# Altium PCB 4_layers_Testboard.PcbDoc (part 2 of 3) (continued)
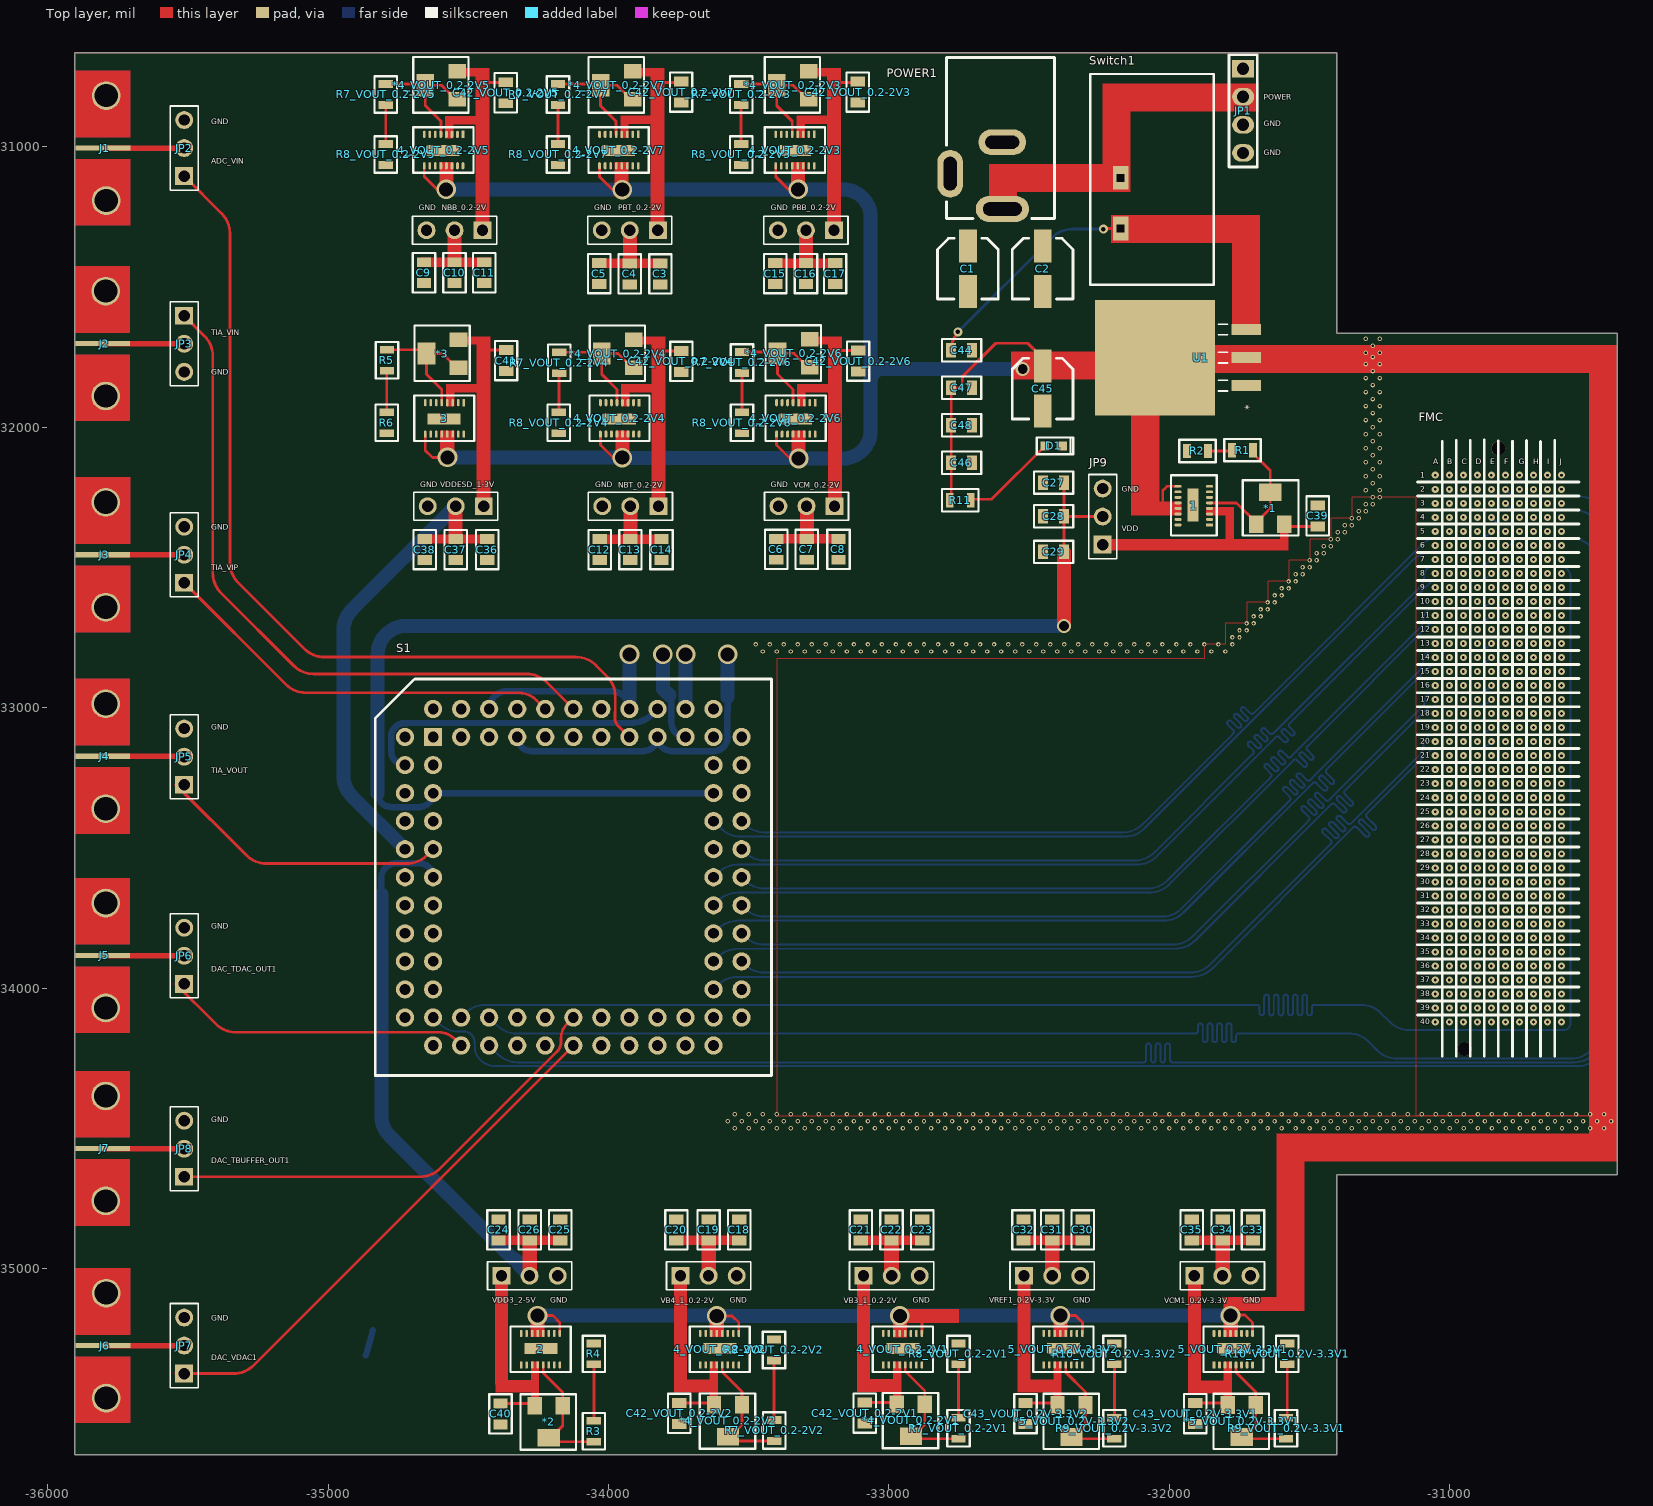
[diagram p0: Top layer view]
## Nets (pads, with @x,y where several pads share a name; then routed paths per layer and width w, separated by ;. In a path a pad name is that pad's centre, name@x,y a point inside that pad or via, vN(x,y) a via of type N, cw(c..) or ccw(c..) an arc to the next point about the centre after c; other vN are vias at no path point) (continued)
DAC_SYNC_IN1: "FMC HPC1.D8" S1.67 | length 6583.2
  Inner Layer 2 w7: S1.67@-34625.44,-33705 -34501.73,-33581.29 cw(c-34431.02,-33652) -34431.02,-33552 -33357,-33552 -33353.5,-33552 ccw(c-33353.5,-33543.5) -33345,-33543.5 -33345,-33495.49 cw(c-33336.5,-33495.49) -33328,-33495.49 -33328,-33602.57 ccw(c-33319.5,-33602.57) -33311,-33602.57 -33311,-33495.49 cw(c-33302.5,-33495.49) -33294,-33495.49 -33294,-33602.57 ccw(c-33285.5,-33602.57) -33277,-33602.57 -33277,-33495.49 cw(c-33268.5,-33495.49) -33260,-33495.49 -33260,-33602.57 ccw(c-33251.5,-33602.57) -33243,-33602.57 -33243,-33495.49 cw(c-33234.5,-33495.49) -33226,-33495.49 -33226,-33602.57 ccw(c-33217.5,-33602.57) -33209,-33602.57 -33209,-33495.49 cw(c-33200.5,-33495.49) -33192,-33495.49 -33192,-33602.57 ccw(c-33183.5,-33602.57) -33175,-33602.57 -33175,-33495.49 cw(c-33166.5,-33495.49) -33158,-33495.49 -33158,-33602.57 ccw(c-33149.5,-33602.57) -33141,-33602.57 -33141,-33495.49 cw(c-33132.5,-33495.49) -33124,-33495.49 -33124,-33602.57 ccw(c-33115.5,-33602.57) -33107,-33602.57 -33107,-33495.49 cw(c-33098.5,-33495.49) -33090,-33495.49 -33090,-33602.57 ccw(c-33081.5,-33602.57) -33073,-33602.57 -33073,-33495.49 cw(c-33064.5,-33495.49) -33056,-33495.49 -33056,-33602.57 ccw(c-33047.5,-33602.57) -33039,-33602.57 -33039,-33496.54 cw(c-33030.5,-33496.54) -33022,-33496.54 -33022,-33543.5 ccw(c-33013.5,-33543.5) -33013.5,-33552 -32883,-33552 -32262.42,-33552 ccw(c-32262.42,-33452) -32191.71,-33522.71 -31193.58,-32524.58 cw(c-31127,-32591.15) -31127,-32497 -30811.18,-32497 cw(c-30811.18,-32580.69) v1(-30752,-32521.51)
DAC_TBUFFER_IN1: "FMC HPC1.E3" S1.79 | length 6587.2
  Bottom Layer w7: S1.79@-34425.44,-34205 -34394.73,-34235.71 ccw(c-34324.02,-34165) -34324.02,-34265 -32095,-34265 -32091.5,-34265 ccw(c-32091.5,-34256.5) -32083,-34256.5 -32083,-34206.11 cw(c-32074.5,-34206.11) -32066,-34206.11 -32066,-34256.5 ccw(c-32057.5,-34256.5) -32049,-34256.5 -32049,-34206.11 cw(c-32040.5,-34206.11) -32032,-34206.11 -32032,-34256.5 ccw(c-32023.5,-34256.5) -32015,-34256.5 -32015,-34206.11 cw(c-32006.5,-34206.11) -31998,-34206.11 -31998,-34256.5 ccw(c-31989.5,-34256.5) -31989.5,-34265 -31690,-34265 -30556,-34265 ccw(c-30556,-34165) -30456,-34165 -30456,-32396 ccw(c-30556,-32396) -30556,-32296 -30601.99,-32296.01 -30752,-32296.01 cw(c-30752,-32271.51) -30752.49,-32296.01 cw(c-30752.49,-32235.61) -30754.89,-32295.96 cw(c-30752.49,-32235.61) -30795.19,-32278.32 v1(-30802,-32271.51)
DAC_TBUFFER_OUT1: JP8.1 S1.2 | length 1670.4
  Top layer w10: JP8.1@-35533,-34673 -34671.42,-34673 ccw(c-34671.42,-34573) -34600.71,-34643.71 -34183.94,-34226.94 ccw(c-34220.21,-34190.66) -34168.91,-34190.66 -34168.91,-34177.98 cw(c-34097.68,-34177.98) -34148.05,-34127.61 S1.2@-34125.44,-34105
DAC_TDAC_IN1: "FMC HPC1.E7" S1.78 | length 6587.4
  Bottom Layer w7: S1.78@-34525.44,-34105 -34509.73,-34089.29 cw(c-34439.02,-34160) -34439.02,-34060 -31915.42,-34060 -31687.34,-34060 cw(c-31687.34,-34068.5) -31678.84,-34068.5 -31678.84,-34088.11 ccw(c-31670.34,-34088.11) -31661.84,-34088.11 -31661.84,-34032.27 cw(c-31653.34,-34032.27) -31644.84,-34032.27 -31644.84,-34088.85 ccw(c-31636.34,-34088.85) -31627.84,-34088.85 -31627.84,-34032.27 cw(c-31619.34,-34032.27) -31610.84,-34032.27 -31610.84,-34088.85 ccw(c-31602.34,-34088.85) -31593.84,-34088.85 -31593.84,-34032.27 cw(c-31585.34,-34032.27) -31576.84,-34032.27 -31576.84,-34088.85 ccw(c-31568.34,-34088.85) -31559.84,-34088.85 -31559.84,-34032.27 cw(c-31551.34,-34032.27) -31542.84,-34032.27 -31542.84,-34088.85 ccw(c-31534.34,-34088.85) -31525.84,-34088.85 -31525.84,-34032.27 cw(c-31517.34,-34032.27) -31508.84,-34032.27 -31508.84,-34088.85 ccw(c-31500.34,-34088.85) -31491.84,-34088.85 -31491.84,-34068.5 cw(c-31483.34,-34068.5) -31483.34,-34060 -31479.84,-34060 -31316.42,-34060 cw(c-31316.42,-34160) -31245.71,-34089.29 -31214,-34121 ccw(c-31143.99,-34050.99) -31143.99,-34150 -30594,-34150 ccw(c-30594,-34126) -30570,-34126 -30570,-32534 ccw(c-30608,-32534) -30585.64,-32503.28 ccw(c-30602,-32521.51) -30605.57,-32497.27 -30752,-32496.01 cw(c-30752,-32471.51) -30755.12,-32495.81 -30760.96,-32495.06 cw(c-30760.96,-32452.83) -30772.96,-32493.32 cw(c-30760.96,-32452.83) -30790.82,-32482.69 v1(-30802,-32471.51)
DAC_TDAC_OUT1: JP6.1 S1.77 | length 1102.2
  Top layer w10: JP6.1@-35543,-33985 -35399.29,-34128.71 ccw(c-35328.58,-34058) -35328.58,-34158 -34604,-34158 cw(c-34604,-34234.2) -34555.9,-34175.1 cw(c-34604,-34234.2) -34550.12,-34180.32 S1.77@-34525.44,-34205 cw(c-34525.44,-34203.64) S1.77@-34526.39,-34204.61
DAC_VDAC1: JP7.1 S1.1 | length 1897.9
  Top layer w10: JP7.1@-35543,-35375 -35336.86,-35375 ccw(c-35336.86,-35275) -35266.15,-35345.71 S1.1@-34125.44,-34205
GND: 1.6 1.7 1.10 1.11 2.6 2.7 2.10 2.11 3.6 3.7 3.10 3.11 4_VOUT_0.2-2V1.6 4_VOUT_0.2-2V1.7 4_VOUT_0.2-2V1.10 4_VOUT_0.2-2V1.11 4_VOUT_0.2-2V2.6 4_VOUT_0.2-2V2.7 4_VOUT_0.2-2V2.10 4_VOUT_0.2-2V2.11 4_VOUT_0.2-2V3.6 4_VOUT_0.2-2V3.7 4_VOUT_0.2-2V3.10 4_VOUT_0.2-2V3.11 4_VOUT_0.2-2V4.6 4_VOUT_0.2-2V4.7 4_VOUT_0.2-2V4.10 4_VOUT_0.2-2V4.11 4_VOUT_0.2-2V5.6 4_VOUT_0.2-2V5.7 4_VOUT_0.2-2V5.10 4_VOUT_0.2-2V5.11 4_VOUT_0.2-2V6.6 4_VOUT_0.2-2V6.7 4_VOUT_0.2-2V6.10 4_VOUT_0.2-2V6.11 4_VOUT_0.2-2V7.6 4_VOUT_0.2-2V7.7 4_VOUT_0.2-2V7.10 4_VOUT_0.2-2V7.11 5_VOUT_0.2V-3.3V1.6 5_VOUT_0.2V-3.3V1.7 5_VOUT_0.2V-3.3V1.10 5_VOUT_0.2V-3.3V1.11 5_VOUT_0.2V-3.3V2.6 5_VOUT_0.2V-3.3V2.7 5_VOUT_0.2V-3.3V2.10 5_VOUT_0.2V-3.3V2.11 "FMC HPC1.A1" "FMC HPC1.A4" "FMC HPC1.A5" "FMC HPC1.A8" "FMC HPC1.A9" "FMC HPC1.A12" "FMC HPC1.A13" "FMC HPC1.A16" "FMC HPC1.A17" "FMC HPC1.A20" "FMC HPC1.A21" "FMC HPC1.A24" "FMC HPC1.A25" "FMC HPC1.A28" "FMC HPC1.A29" "FMC HPC1.A32" "FMC HPC1.A33" "FMC HPC1.A36" "FMC HPC1.A37" "FMC HPC1.A40" "FMC HPC1.B2" "FMC HPC1.B3" "FMC HPC1.B6" "FMC HPC1.B7" "FMC HPC1.B10" "FMC HPC1.B11" "FMC HPC1.B14" "FMC HPC1.B15" "FMC HPC1.B18" "FMC HPC1.B19" "FMC HPC1.B22" "FMC HPC1.B23" "FMC HPC1.B26" "FMC HPC1.B27" "FMC HPC1.B30" "FMC HPC1.B31" "FMC HPC1.B34" "FMC HPC1.B35" "FMC HPC1.B38" "FMC HPC1.B39" "FMC HPC1.C1" "FMC HPC1.C4" "FMC HPC1.C5" "FMC HPC1.C8" "FMC HPC1.C9" "FMC HPC1.C12" "FMC HPC1.C13" "FMC HPC1.C16" "FMC HPC1.C17" "FMC HPC1.C20" "FMC HPC1.C21" "FMC HPC1.C24" "FMC HPC1.C25" "FMC HPC1.C28" "FMC HPC1.C29" "FMC HPC1.C32" "FMC HPC1.C33" "FMC HPC1.C36" "FMC HPC1.C38" "FMC HPC1.C40" "FMC HPC1.D2" "FMC HPC1.D3" "FMC HPC1.D6" "FMC HPC1.D7" "FMC HPC1.D10" "FMC HPC1.D13" "FMC HPC1.D16" "FMC HPC1.D19" "FMC HPC1.D22" "FMC HPC1.D25" "FMC HPC1.D28" "FMC HPC1.D37" "FMC HPC1.D39" "FMC HPC1.E1" "FMC HPC1.E4" "FMC HPC1.E5" "FMC HPC1.E8" "FMC HPC1.E11" "FMC HPC1.E14" "FMC HPC1.E17" "FMC HPC1.E20" "FMC HPC1.E23" "FMC HPC1.E26" "FMC HPC1.E29" "FMC HPC1.E32" "FMC HPC1.E35" "FMC HPC1.E38" "FMC HPC1.E40" "FMC HPC1.F2" "FMC HPC1.F3" "FMC HPC1.F6" "FMC HPC1.F9" "FMC HPC1.F12" "FMC HPC1.F15" "FMC HPC1.F18" "FMC HPC1.F21" "FMC HPC1.F24" "FMC HPC1.F27" "FMC HPC1.F30" "FMC HPC1.F33" "FMC HPC1.F36" "FMC HPC1.F39" "FMC HPC1.G1" "FMC HPC1.G4" "FMC HPC1.G5" "FMC HPC1.G8" "FMC HPC1.G11" "FMC HPC1.G14" "FMC HPC1.G17" "FMC HPC1.G20" "FMC HPC1.G23" "FMC HPC1.G26" "FMC HPC1.G29" "FMC HPC1.G32" "FMC HPC1.G35" "FMC HPC1.G38" "FMC HPC1.G40" "FMC HPC1.H3" "FMC HPC1.H6" "FMC HPC1.H9" "FMC HPC1.H12" "FMC HPC1.H15" "FMC HPC1.H18" "FMC HPC1.H21" "FMC HPC1.H24" "FMC HPC1.H27" "FMC HPC1.H30" "FMC HPC1.H33" "FMC HPC1.H36" "FMC HPC1.H39" "FMC HPC1.J1" "FMC HPC1.J4" "FMC HPC1.J5" "FMC HPC1.J8" "FMC HPC1.J11" "FMC HPC1.J14" "FMC HPC1.J17" "FMC HPC1.J20" "FMC HPC1.J23" "FMC HPC1.J26" "FMC HPC1.J29" "FMC HPC1.J32" "FMC HPC1.J35" "FMC HPC1.J38" "FMC HPC1.J40" "FMC HPC1.K3" "FMC HPC1.K6" "FMC HPC1.K9" "FMC HPC1.K12" "FMC HPC1.K15" "FMC HPC1.K18" "FMC HPC1.K21" "FMC HPC1.K24" "FMC HPC1.K27" "FMC HPC1.K30" "FMC HPC1.K33" "FMC HPC1.K36" "FMC HPC1.K39" C1.1 C2.1 C3.1 C4.2 C5.1 C6.1 C7.1 C8.1 C9.1 C10.2 C11.1 C12.1 C13.2 C14.1 C15.1 C16.2 C17.1 C18.1 C19.2 C20.1 C21.1 C22.2 C23.1 C24.1 C25.2 C26.1 C27.1 C28.2 C29.1 C30.1 C31.2 C32.1 C33.1 C34.2 C35.1 C36.1 C37.2 C38.1 C39.1 C40.1 C41.1 C42_VOUT_0.2-2V1.1 C42_VOUT_0.2-2V2.1 C42_VOUT_0.2-2V3.1 C42_VOUT_0.2-2V4.1 C42_VOUT_0.2-2V5.1 C42_VOUT_0.2-2V6.1 C42_VOUT_0.2-2V7.1 C43_VOUT_0.2V-3.3V1.1 C43_VOUT_0.2V-3.3V2.1 C44.2 C45.2 C46.2 C47.2 C48.2 D1.1 J1.MH J2.MH J3.MH J4.MH J5.MH J6.MH J7.MH JP1.3 JP1.4 JP2.3 JP3.3 JP4.3 JP5.3 JP6.3 JP7.3 JP8.3 JP9.3 NBB_0.2-2V.3 NBT_0.2-2V.3 PBB_0.2-2V.3 PBT_0.2-2V.3 POWER1.2 POWER1.3 R2.1 R4.1 R6.1 R8_VOUT_0.2-2V1.1 R8_VOUT_0.2-2V2.1 R8_VOUT_0.2-2V3.1 R8_VOUT_0.2-2V4.1 R8_VOUT_0.2-2V5.1 R8_VOUT_0.2-2V6.1 R8_VOUT_0.2-2V7.1 R10_VOUT_0.2V-3.3V1.1 R10_VOUT_0.2V-3.3V2.1 S1.28 S1.30 S1.58 S1.61 S1.66 U1.1 VB3_1_0.2-2V.3 VB4_1_0.2-2V.3 VCM1_0.2V-3.3V.3 VCM_0.2-2V.3 VDD3_2-5V.3 VDDESD_1-3V.3 VREF1_0.2V-3.3V.3
  other v1: -31002,-34121.51 -30952,-34121.51 -30902,-34121.51 -30852,-34121.51 -30802,-34121.51 -30752,-34121.51 -30702,-34121.51 -30652,-34121.51 -30602,-34121.51 -31052,-34071.51 -31002,-34071.51 -30952,-34071.51 -30902,-34071.51 -30852,-34071.51 -30802,-34071.51 -30752,-34071.51 -30702,-34071.51 -30652,-34071.51 -30602,-34071.51 -31002,-34021.51 -30952,-34021.51 -30902,-34021.51 -30852,-34021.51 -30802,-34021.51 -30752,-34021.51 -30702,-34021.51 -30652,-34021.51 -30602,-34021.51 -31002,-33971.51 -30952,-33971.51 -30902,-33971.51 -30852,-33971.51 -30802,-33971.51 -30752,-33971.51 -30702,-33971.51 -30652,-33971.51 -30602,-33971.51 -31052,-33921.51 -31002,-33921.51 -30952,-33921.51 -30902,-33921.51 -30852,-33921.51 -30802,-33921.51 -30752,-33921.51 -30702,-33921.51 -30652,-33921.51 -30602,-33921.51 -31002,-33871.51 -30952,-33871.51 -30902,-33871.51 -30852,-33871.51 -30802,-33871.51 -30752,-33871.51 -30702,-33871.51 -30652,-33871.51 -30602,-33871.51 -31002,-33821.51 -30952,-33821.51 -30902,-33821.51 -30852,-33821.51 -30802,-33821.51 -30752,-33821.51 -30702,-33821.51 -30652,-33821.51 -30602,-33821.51 -31052,-33771.51 -30952,-33771.51 -30852,-33771.51 -30702,-33771.51 -30602,-33771.51 -31002,-33721.51 -30902,-33721.51 -30802,-33721.51 -30702,-33721.51 -30602,-33721.51 -30652,-33671.51 -31052,-33621.51 -30952,-33621.51 -30852,-33621.51 -30652,-33621.51 -31002,-33571.51 -30902,-33571.51 -30802,-33571.51 -30702,-33571.51 -30602,-33571.51 -30752,-33521.51 -30702,-33521.51 -30602,-33521.51 -31052,-33471.51 -30952,-33471.51 -30852,-33471.51 -30652,-33471.51 -31002,-33421.51 -30902,-33421.51 -30802,-33421.51 -30652,-33421.51 -30752,-33371.51 -30702,-33371.51 -30602,-33371.51 -31052,-33321.51 -30952,-33321.51 -30852,-33321.51 -30702,-33321.51 -30602,-33321.51 -31002,-33271.51 -30902,-33271.51 -30802,-33271.51 -30652,-33271.51 -30752,-33221.51 -30652,-33221.51 -31052,-33171.51 -30952,-33171.51 -30852,-33171.51 -30702,-33171.51 -30602,-33171.51 -31002,-33121.51 -30902,-33121.51 -30802,-33121.51 -30702,-33121.51 -30602,-33121.51 -30752,-33071.51 -30652,-33071.51 -31052,-33021.51 -30952,-33021.51 -30852,-33021.51 -30652,-33021.51 -31002,-32971.51 -30902,-32971.51 -30802,-32971.51 -30702,-32971.51 -30602,-32971.51 -30752,-32921.51 -30702,-32921.51 -30602,-32921.51 -31052,-32871.51 -30952,-32871.51 -30852,-32871.51 -30652,-32871.51 -31002,-32821.51 -30902,-32821.51 -30802,-32821.51 -30652,-32821.51 -30752,-32771.51 -30702,-32771.51 -30602,-32771.51 -31052,-32721.51 -30952,-32721.51 -30852,-32721.51 -30702,-32721.51 -30602,-32721.51 -31002,-32671.51 -30902,-32671.51 -30802,-32671.51 -30652,-32671.51 -30752,-32621.51 -30652,-32621.51 -31052,-32571.51 -30952,-32571.51 -30852,-32571.51 -30702,-32571.51 -30602,-32571.51 -31002,-32521.51 -30902,-32521.51 -30802,-32521.51 -30702,-32521.51 -30602,-32521.51 -30752,-32471.51 -30652,-32471.51 -31052,-32421.51 -30952,-32421.51 -30852,-32421.51 -30752,-32421.51 -30652,-32421.51 -31002,-32371.51 -30902,-32371.51 -30802,-32371.51 -30702,-32371.51 -30602,-32371.51 -31002,-32321.51 -30902,-32321.51 -30802,-32321.51 -30702,-32321.51 -30602,-32321.51 -31052,-32271.51 -30952,-32271.51 -30852,-32271.51 -30752,-32271.51 -30652,-32271.51 -30852,-32221.51 -30752,-32221.51 -30652,-32221.51 -31002,-32171.51 -30902,-32171.51 -30802,-32171.51 -30702,-32171.51 -30602,-32171.51
NBB0.2-2V: C9.2 C10.1 C11.2 NBB_0.2-2V.2 S1.37 S1.56 | length 3156.2
  Top layer w10: C11.2@-34449.22,-31415.2 ccw(c-34449.22,-31404.28) C11.2@-34441.5,-31412
  Inner Layer 2 w50: S1.56@-34725.44,-33205 -34759.65,-33170.79 cw(c-34688.94,-33100.08) -34774.44,-33151.94 cw(c-34688.94,-33100.08) -34785.82,-33124.85 ccw(c-34834.26,-33137.26) -34786.31,-33123.06 cw(c-34725.44,-33105) -34788.94,-33105 cw(c-34725.44,-33105) -34788.92,-33103.7 ccw(c-34838.91,-33102.71) -34788.92,-33101.85 cw(c-34688.94,-33100.08) -34788.94,-33100.08 -34788.94,-31579.38 cw(c-34688.94,-31579.38) -34759.65,-31508.66 NBB_0.2-2V.2@-34548.98,-31298
  Bottom Layer w23: S1.56@-34725.44,-33205 cw(c-34725.44,-33155) -34775.44,-33155 -34775.44,-33114.44 cw(c-34716,-33114.44) -34775.33,-33110.88 ccw(c-34798.29,-33109.58) -34775.34,-33108.19 cw(c-34725.44,-33105) -34722.35,-33055.1 cw(c-34725.44,-33105) -34722.23,-33055.1 ccw(c-34720.86,-33032.14) -34719.58,-33055.11 cw(c-34716,-33114.44) -34716,-33055 -34624.64,-33055 ccw(c-34624.64,-33032) -34624.58,-33055 -34622.57,-33054.99 cw(c-34622.51,-33077.99) -34622.46,-33054.99 -34619.92,-33055 -34592.87,-33055 -34525.54,-33055 -34525.44,-33055 -33916.86,-33055 ccw(c-33916.86,-32955) -33908.26,-33054.63 ccw(c-33916.86,-32955) -33846.15,-33025.71 S1.37@-33825.44,-33005
NBT0.2-2V: C12.2 C13.1 C14.2 NBT_0.2-2V.2 S1.36 S1.57 | length 1902.8
  Inner Layer 2 w23: S1.57@-34625.44,-33205 -33866.86,-33205 ccw(c-33866.86,-33105) -33796.15,-33175.71 S1.36@-33725.44,-33105
  Inner Layer 2 w50: -33922,-32545 ccw(c-33844.75,-32545) -33899.37,-32599.63 -33892.71,-32606.29 ; NBT_0.2-2V.2@-33922,-32282 -33922,-32535.58 ccw(c-33822,-32535.58) -33892.71,-32606.29 ; v3(-33806,-32810) -33806,-32734.42 ccw(c-33906,-32734.42) -33835.29,-32663.71 -33892.71,-32606.29
  Bottom Layer w23: -33775.44,-32960.88 -33775.44,-33055 ccw(c-33725.44,-33055) S1.36@-33725.44,-33105
  Bottom Layer w50: v3(-33806,-32810) -33806,-32933 -33783,-32956
Net1_3: 1.3 1.4 *1.3 C39.2 JP9.1 | length 122.6
  Top layer w10: *1.3@-31590.42,-32346.23 -31582.87,-32353.79 C39.2@-31471,-32353.79
Net1_5: 1.5 *1.1 *1.2 R1.2 | length 506
  Top layer w10: 1.5@-31856.93,-32270.13 -31760.62,-32270.13 *1.1@-31690.42,-32340.32 ; R1.2@-31701.66,-32081.87 -31701.66,-32093.68 -31640.42,-32154.92 *1.2@-31640.42,-32232.06 -31640.42,-32290.32 *1.1@-31690.42,-32340.32 ; *1.1@-31690.42,-32346.23 *1.1@-31690.42,-32340.32
Net2_3: 2.3 2.4 *2.3 C40.2 VDD3_2-5V.1 | length 125.2
  Top layer w10: C40.2@-34385,-35481.2 -34270.8,-35481.2 *2.3@-34263,-35489
Net2_5: 2.5 *2.1 *2.2 R3.2 | length 480.4
  Top layer w10: 2.5@-34232.67,-35344.05 -34232.67,-35372.3 -34163,-35441.97 *2.1@-34163,-35489 -34163,-35561.05 -34205.12,-35603.17 *2.2@-34213,-35603.17 -34198.37,-35617.8 R3.2@-34052,-35617.8
Net3_3: 3.3 3.4 *3.3 C41.2 VDDESD_1-3V.1 | length 79.2
  Top layer w10: -34452.2,-31725.2 C41.2@-34373,-31725.2
Net3_5: 3.5 *3.1 *3.2 R5.2 | length 464.2
  Top layer w10: R5.2@-34790,-31724 -34682.56,-31724 cw(c-34682.56,-31771.34) *3.2@-34649.09,-31737.87 ; 3.5@-34594.61,-31912.72 3.5@-34594.69,-31912.8 -34594.69,-31865.86 -34649.09,-31811.46 *3.2@-34649.09,-31737.87 ; *3.1@-34557.66,-31787.87 -34557.66,-31771.02 -34590.82,-31737.87 *3.2@-34649.09,-31737.87
Net4_VOUT_0.2-2V1_3: 4_VOUT_0.2-2V1.3 4_VOUT_0.2-2V1.4 *4_VOUT_0.2-2V1.3 C42_VOUT_0.2-2V1.2 VB3_1_0.2-2V.1 | length 116.4
  Top layer w10: C42_VOUT_0.2-2V1.2@-33086,-35478.2 -32977.8,-35478.2 *4_VOUT_0.2-2V1.3@-32972,-35484
Net4_VOUT_0.2-2V1_5: 4_VOUT_0.2-2V1.5 *4_VOUT_0.2-2V1.1 *4_VOUT_0.2-2V1.2 R7_VOUT_0.2-2V1.2 | length 466.1
  Top layer w10: 4_VOUT_0.2-2V1.5@-32941.68,-35344.05 -32941.61,-35344.13 -32941.61,-35367.9 -32872,-35437.5 *4_VOUT_0.2-2V1.1@-32872,-35484 -32872,-35556.05 -32914.12,-35598.17 -32905.46,-35606.83 R7_VOUT_0.2-2V1.2@-32752,-35606.83
Net4_VOUT_0.2-2V2_3: 4_VOUT_0.2-2V2.3 4_VOUT_0.2-2V2.4 *4_VOUT_0.2-2V2.3 C42_VOUT_0.2-2V2.2 VB4_1_0.2-2V.1 | length 126.8
  Top layer w10: C42_VOUT_0.2-2V2.2@-33748,-35479.2 -33630.8,-35479.2 *4_VOUT_0.2-2V2.3@-33624,-35486
Net4_VOUT_0.2-2V2_5: 4_VOUT_0.2-2V2.5 *4_VOUT_0.2-2V2.1 *4_VOUT_0.2-2V2.2 R7_VOUT_0.2-2V2.2 | length 481.7
  Top layer w10: 4_VOUT_0.2-2V2.5@-33594.29,-35344.05 -33594.21,-35344.13 -33594.21,-35369.29 -33524,-35439.5 *4_VOUT_0.2-2V2.1@-33524,-35486 -33524,-35558.05 -33566.12,-35600.17 *4_VOUT_0.2-2V2.2@-33574,-35600.17 -33559.17,-35615 R7_VOUT_0.2-2V2.2@-33409,-35615
Net4_VOUT_0.2-2V3_3: 4_VOUT_0.2-2V3.3 4_VOUT_0.2-2V3.4 *4_VOUT_0.2-2V3.3 C42_VOUT_0.2-2V3.2 PBB_0.2-2V.1 | length 63.8
  Top layer w10: -33197.76,-30771.24 C42_VOUT_0.2-2V3.2@-33134,-30771.24
Net4_VOUT_0.2-2V3_5: 4_VOUT_0.2-2V3.5 *4_VOUT_0.2-2V3.1 *4_VOUT_0.2-2V3.2 R7_VOUT_0.2-2V3.2 | length 449.6
  Top layer w7: *4_VOUT_0.2-2V3.2@-33404.87,-30776.24 cw(c-33404.87,-30781) *4_VOUT_0.2-2V3.2@-33400.1,-30781
  Top layer w10: R7_VOUT_0.2-2V3.2@-33527,-30776.24 *4_VOUT_0.2-2V3.2@-33404.87,-30776.24 ; 4_VOUT_0.2-2V3.5@-33344.63,-30955.85 4_VOUT_0.2-2V3.5@-33344.71,-30955.93 -33344.71,-30909.49 -33400.1,-30854.1 *4_VOUT_0.2-2V3.2@-33400.1,-30781 -33341.83,-30781 -33308.68,-30814.15 *4_VOUT_0.2-2V3.1@-33308.68,-30831
Net4_VOUT_0.2-2V4_3: 4_VOUT_0.2-2V4.3 4_VOUT_0.2-2V4.4 *4_VOUT_0.2-2V4.3 C42_VOUT_0.2-2V4.2 NBT_0.2-2V.1 | length 91
  Top layer w10: -33823,-31728 C42_VOUT_0.2-2V4.2@-33732,-31728
Net4_VOUT_0.2-2V4_5: 4_VOUT_0.2-2V4.5 *4_VOUT_0.2-2V4.1 *4_VOUT_0.2-2V4.2 R7_VOUT_0.2-2V4.2 | length 487.2
  Top layer w10: R7_VOUT_0.2-2V4.2@-34176,-31733 -34028.87,-31733 cw(c-34028.87,-31737.76) *4_VOUT_0.2-2V4.2@-34024.1,-31737.76 ; 4_VOUT_0.2-2V4.5@-33969.63,-31912.72 4_VOUT_0.2-2V4.5@-33969.71,-31912.8 -33969.71,-31865.8 -34024.1,-31811.41 *4_VOUT_0.2-2V4.2@-34024.1,-31737.76 ; *4_VOUT_0.2-2V4.1@-33909.93,-31787.76 -33915.83,-31787.76 -33965.83,-31737.76 *4_VOUT_0.2-2V4.2@-34024.1,-31737.76
Net4_VOUT_0.2-2V5_3: 4_VOUT_0.2-2V5.3 4_VOUT_0.2-2V5.4 *4_VOUT_0.2-2V5.3 C42_VOUT_0.2-2V5.2 NBB_0.2-2V.1 | length 75.2
  Top layer w10: -34457.24,-30771.24 C42_VOUT_0.2-2V5.2@-34382,-30771.24
Net4_VOUT_0.2-2V5_5: 4_VOUT_0.2-2V5.5 *4_VOUT_0.2-2V5.1 *4_VOUT_0.2-2V5.2 R7_VOUT_0.2-2V5.2 | length 473.7
  Top layer w10: R7_VOUT_0.2-2V5.2@-34793.6,-30776.64 -34679.58,-30776.64 *4_VOUT_0.2-2V5.2@-34653.09,-30781 ; 4_VOUT_0.2-2V5.5@-34597.61,-30955.85 4_VOUT_0.2-2V5.5@-34597.69,-30955.93 -34597.69,-30909.49 -34653.09,-30854.1 *4_VOUT_0.2-2V5.2@-34653.09,-30781 ; *4_VOUT_0.2-2V5.1@-34538.91,-30831 -34544.82,-30831 -34594.82,-30781 *4_VOUT_0.2-2V5.2@-34653.09,-30781
Net4_VOUT_0.2-2V6_3: 4_VOUT_0.2-2V6.3 4_VOUT_0.2-2V6.4 *4_VOUT_0.2-2V6.3 C42_VOUT_0.2-2V6.2 VCM_0.2-2V.1 | length 80.4
  Top layer w10: -33203,-31726 -33202,-31727 C42_VOUT_0.2-2V6.2@-33123,-31727
Net4_VOUT_0.2-2V6_5: 4_VOUT_0.2-2V6.5 *4_VOUT_0.2-2V6.1 *4_VOUT_0.2-2V6.2 R7_VOUT_0.2-2V6.2 | length 455.6
  Top layer w10: R7_VOUT_0.2-2V6.2@-33524,-31732 -33401.87,-31732 cw(c-33401.87,-31736.76) *4_VOUT_0.2-2V6.2@-33397.1,-31736.76 -33338.83,-31736.76 -33288.83,-31786.76 *4_VOUT_0.2-2V6.1@-33282.93,-31786.76 ; *4_VOUT_0.2-2V6.2@-33397.1,-31744.64 -33397.1,-31810.41 -33341.71,-31865.8 4_VOUT_0.2-2V6.5@-33341.71,-31912.8
Net4_VOUT_0.2-2V7_3: 4_VOUT_0.2-2V7.3 4_VOUT_0.2-2V7.4 *4_VOUT_0.2-2V7.3 C42_VOUT_0.2-2V7.2 PBT_0.2-2V.1 | length 78.2
  Top layer w10: -33831.24,-30771.24 C42_VOUT_0.2-2V7.2@-33753,-30771.24
Net4_VOUT_0.2-2V7_5: 4_VOUT_0.2-2V7.5 *4_VOUT_0.2-2V7.1 *4_VOUT_0.2-2V7.2 R7_VOUT_0.2-2V7.2 | length 486.6
  Top layer w10: R7_VOUT_0.2-2V7.2@-34180,-30776.24 -34032.87,-30776.24 *4_VOUT_0.2-2V7.2@-34028.1,-30781 ; 4_VOUT_0.2-2V7.5@-33972.71,-30955.93 -33972.71,-30909.49 -34028.1,-30854.09 *4_VOUT_0.2-2V7.2@-34028.1,-30781 ; *4_VOUT_0.2-2V7.1@-33913.93,-30831 -33919.84,-30831 -33969.84,-30781 *4_VOUT_0.2-2V7.2@-34028.1,-30781
Net5_VOUT_0.2V-3.3V1_3: 5_VOUT_0.2V-3.3V1.3 5_VOUT_0.2V-3.3V1.4 *5_VOUT_0.2V-3.3V1.3 C43_VOUT_0.2V-3.3V1.2 VCM1_0.2V-3.3V.1 | length 118.9
  Top layer w10: C43_VOUT_0.2V-3.3V1.2@-31908,-35480 -31799,-35480 *5_VOUT_0.2V-3.3V1.3@-31792,-35487
Net5_VOUT_0.2V-3.3V1_5: 5_VOUT_0.2V-3.3V1.5 *5_VOUT_0.2V-3.3V1.1 *5_VOUT_0.2V-3.3V1.2 R9_VOUT_0.2V-3.3V1.2 | length 471.9
  Top layer w10: 5_VOUT_0.2V-3.3V1.5@-31762.31,-35344.05 -31762.23,-35344.13 -31762.23,-35370.28 -31692,-35440.5 *5_VOUT_0.2V-3.3V1.1@-31692,-35487 -31692,-35559.05 -31734.12,-35601.17 *5_VOUT_0.2V-3.3V1.2@-31742,-35601.17 -31736.34,-35606.83 R9_VOUT_0.2V-3.3V1.2@-31584,-35606.83
Net5_VOUT_0.2V-3.3V2_3: 5_VOUT_0.2V-3.3V2.3 5_VOUT_0.2V-3.3V2.4 *5_VOUT_0.2V-3.3V2.3 C43_VOUT_0.2V-3.3V2.2 VREF1_0.2V-3.3V.1 | length 116.9
  Top layer w10: C43_VOUT_0.2V-3.3V2.2@-32513,-35480 -32406,-35480 *5_VOUT_0.2V-3.3V2.3@-32399,-35487
Net5_VOUT_0.2V-3.3V2_5: 5_VOUT_0.2V-3.3V2.5 *5_VOUT_0.2V-3.3V2.1 *5_VOUT_0.2V-3.3V2.2 R9_VOUT_0.2V-3.3V2.2 | length 467
  Top layer w10: 5_VOUT_0.2V-3.3V2.5@-32369.39,-35344.05 -32369.32,-35344.13 -32369.32,-35370.19 -32299,-35440.5 *5_VOUT_0.2V-3.3V2.1@-32299,-35487 -32299,-35559.05 -32341.12,-35601.17 *5_VOUT_0.2V-3.3V2.2@-32349,-35601.17 -32343.34,-35606.84 R9_VOUT_0.2V-3.3V2.2@-32196,-35606.84
NetD1_2: D1.2 R11.1 | length 342.8
  Top layer w10: R11.1@-32708.28,-32257 -32634.17,-32257 D1.2@-32444.17,-32067
NetJ1_1: J1.1 JP2.2 | length 290
  Top layer w20: J1.1@-35803,-31005 JP2.2@-35513,-31005
NetJ2_1: J2.1 JP3.2 | length 292.1
  Top layer w20: J2.1@-35804.81,-31702.01 -35515.4,-31702.01 cw(c-35515.4,-31705.4) JP3.2@-35513,-31703
NetJ3_1: J3.1 JP4.2 | length 291.6
  Top layer w20: J3.1@-35804.57,-32455 JP4.2@-35513,-32455
NetJ4_1: J4.1 JP5.2 | length 261.7
  Top layer w20: J4.1@-35804.26,-33174.06 -35543.94,-33174.06 JP5.2@-35543,-33175
NetJ5_1: J5.1 JP6.2 | length 262.2
  Top layer w20: J5.1@-35804.81,-33884 -35804.31,-33884.5 -35543.5,-33884.5 JP6.2@-35543,-33885
NetJ6_1: J6.1 JP7.2 | length 260
  Top layer w20: J6.1@-35803,-35275 JP7.2@-35543,-35275
NetJ7_1: J7.1 JP8.2 | length 272.2
  Top layer w10: J7.1@-35804.81,-34572.01 J7.1@-35804.31,-34572.5 ; JP8.2@-35533.5,-34572.5 JP8.2@-35533,-34573
  Top layer w20: J7.1@-35804.31,-34572.5 JP8.2@-35533.5,-34572.5
NetR1_1: R1.1 R2.2 | length 87.7
  Top layer w10: R2.2@-31862.46,-32084.87 -31779.46,-32084.87 ccw(c-31779.46,-32081.87) R1.1@-31776.46,-32081.87
NetR3_1: R3.1 R4.2 | length 200.9
  Top layer w10: R3.1@-34052,-35543.1 R4.2@-34052,-35342.18
NetR5_1: R5.1 R6.2 | length 134.4
  Top layer w10: R6.2@-34791,-31947.24 -34791,-31812.8
NetR7_VOUT_0.2-2V1_1: R7_VOUT_0.2-2V1.1 R8_VOUT_0.2-2V1.2 | length 190
  Top layer w10: R7_VOUT_0.2-2V1.1@-32752,-35532.03 R8_VOUT_0.2-2V1.2@-32752,-35342
NetR7_VOUT_0.2-2V2_1: R7_VOUT_0.2-2V2.1 R8_VOUT_0.2-2V2.2 | length 215.5
  Top layer w10: R8_VOUT_0.2-2V2.2@-33410,-35328 -33410,-35532.2 R7_VOUT_0.2-2V2.1@-33402,-35540.2
NetR7_VOUT_0.2-2V3_1: R7_VOUT_0.2-2V3.1 R8_VOUT_0.2-2V3.2 | length 139.3
  Top layer w10: R8_VOUT_0.2-2V3.2@-33527,-30990.38 R7_VOUT_0.2-2V3.1@-33527,-30851.04
NetR7_VOUT_0.2-2V4_1: R7_VOUT_0.2-2V4.1 R8_VOUT_0.2-2V4.2 | length 134.4
  Top layer w10: R8_VOUT_0.2-2V4.2@-34177,-31947.24 R7_VOUT_0.2-2V4.1@-34177,-31812.8
NetR7_VOUT_0.2-2V5_1: R7_VOUT_0.2-2V5.1 R8_VOUT_0.2-2V5.2 | length 139.3
  Top layer w10: R8_VOUT_0.2-2V5.2@-34794,-30990.38 R7_VOUT_0.2-2V5.1@-34794,-30851.04
NetR7_VOUT_0.2-2V6_1: R7_VOUT_0.2-2V6.1 R8_VOUT_0.2-2V6.2 | length 134.4
  Top layer w10: R8_VOUT_0.2-2V6.2@-33524,-31947.24 R7_VOUT_0.2-2V6.1@-33524,-31812.8
NetR7_VOUT_0.2-2V7_1: R7_VOUT_0.2-2V7.1 R8_VOUT_0.2-2V7.2 | length 139.3
  Top layer w10: R8_VOUT_0.2-2V7.2@-34180,-30990.38 R7_VOUT_0.2-2V7.1@-34180,-30851.04
NetR9_VOUT_0.2V-3.3V1_1: R9_VOUT_0.2V-3.3V1.1 R10_VOUT_0.2V-3.3V1.2 | length 192.3
  Top layer w10: R9_VOUT_0.2V-3.3V1.1@-31584,-35532.03 ccw(c-31584,-35528.03) -31580,-35528.03 R10_VOUT_0.2V-3.3V1.2@-31580,-35342
NetR9_VOUT_0.2V-3.3V2_1: R9_VOUT_0.2V-3.3V2.1 R10_VOUT_0.2V-3.3V2.2 | length 190
  Top layer w10: R9_VOUT_0.2V-3.3V2.1@-32196,-35532.03 R10_VOUT_0.2V-3.3V2.2@-32196,-35342
PBB0.2-2V: C15.2 C16.1 C17.2 PBB_0.2-2V.2 S1.35 S1.60 | length 3185.7
  Inner Layer 2 w23: S1.60@-34725.44,-33405 -34704.77,-33384.33 cw(c-34634.06,-33455.05) -34661.15,-33358.78 cw(c-34634.06,-33455.05) -34634.06,-33355.05 -34627.95,-33355.05 ccw(c-34628.02,-33332.05) -34627.26,-33355.03 cw(c-34625.44,-33405) -34623.37,-33355.04 ; S1.35@-33725.44,-33005 cw(c-33725.44,-33054.96) -33675.48,-33054.96 -33675.48,-33087.36 cw(c-33775.48,-33087.36) -33675.8,-33095.35 ccw(c-33652.87,-33097.11) -33675.74,-33099.53 cw(c-33725.44,-33105) -33675.47,-33103.25 cw(c-33725.44,-33105) -33679.2,-33124.04 cw(c-33725.44,-33105) -33690.16,-33140.43 ccw(c-33673.87,-33156.67) -33692.83,-33143.65 cw(c-33775.48,-33087.36) -33704.77,-33158.07 -33873.48,-33326.78 cw(c-33944.19,-33256.07) -33921.33,-33353.42 cw(c-33944.19,-33256.07) -33941.4,-33356.03 cw(c-33944.19,-33256.07) -33944.19,-33356.07 -33963,-33356.07 -34553.98,-33357.14 -34554.28,-33357.14 -34574.35,-33357.14 -34623.3,-33355.05 ; -34623.37,-33355.04 cw(c-34625.44,-33405) -34623.3,-33355.05 ; -34623.37,-33355.04 -34623.3,-33355.05
  Inner Layer 2 w50: v3(-33725,-32810) -33725,-31768.42 cw(c-33625,-31768.42) -33695.71,-31697.71 PBB_0.2-2V.2@-33296,-31298
  Bottom Layer w50: S1.35@-33725.44,-33005 v3@-33725.44,-32810.44